# KiCad board Soldered Inkplate 6 FLICK.kicad_pcb (continued)
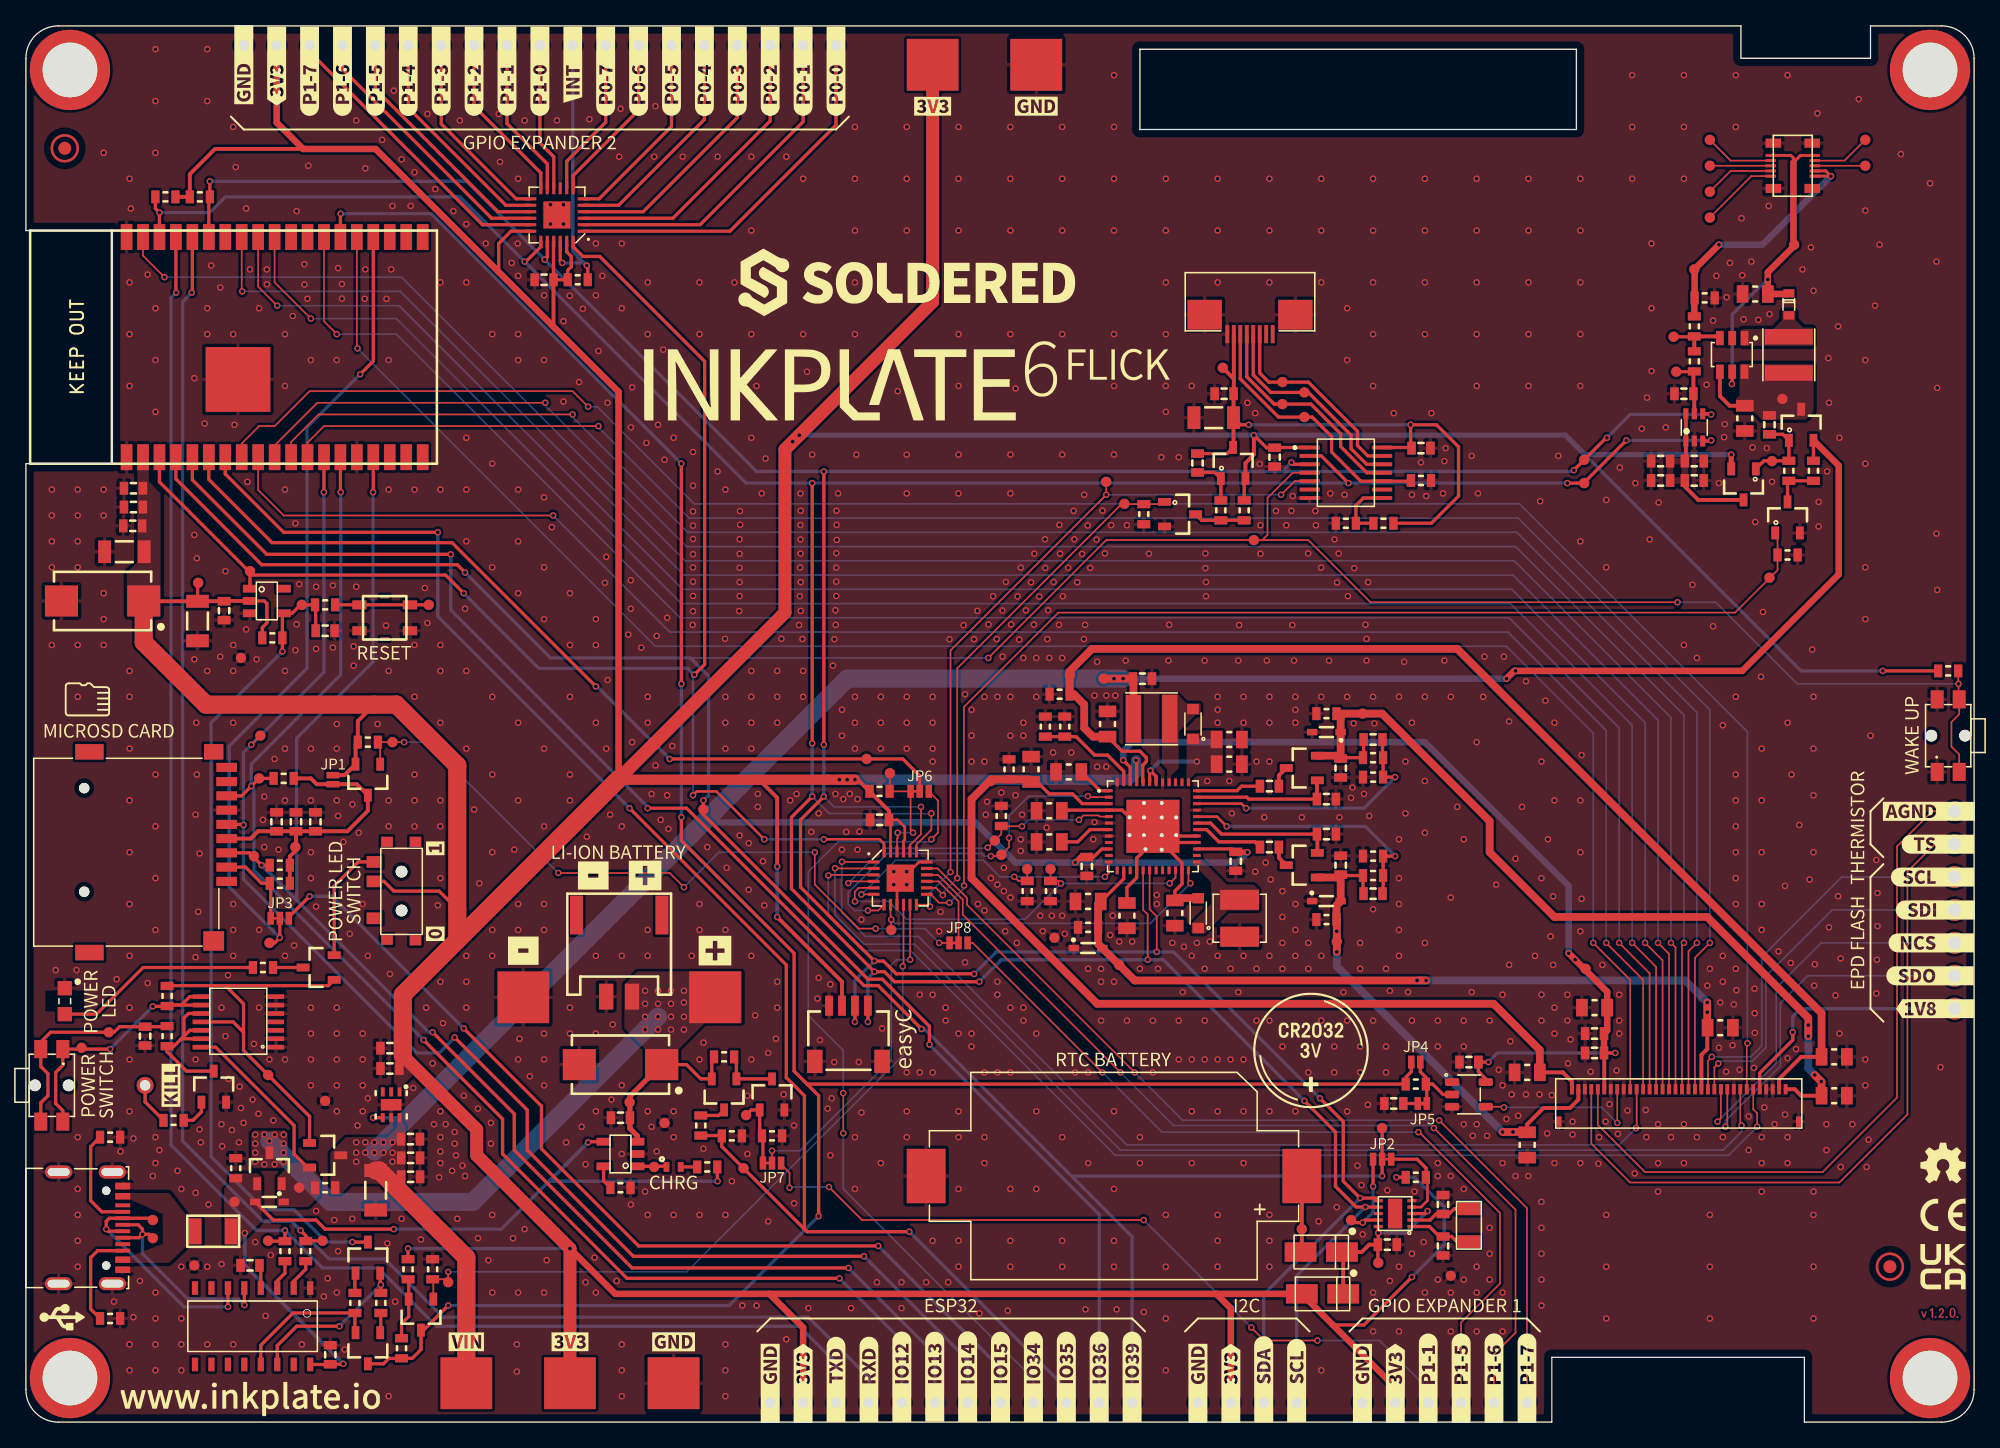
[diagram p0: board, top side]
## Routing (per net, layer and track width the routed paths; a pad name or vN(x,y) marks a point on that pad's centre or on a via; arc(x,y) is an arc through that point) (continued)
  Top w0.3: C53.2 93.23,77.56 ; TP32.TP 93.25,80.55 ; C44.1 93.22,75.28 ; K12.7 93.25,79.42
  Bottom w0.254: v1(94.4,77) v1(106.9,77)
/POWER/VDDH_D: length 10.8
  Top w0.254: 99.67,49.52 D7.1 ; U1.35 94.25,48.25 94.4,48.1 C20.2
  Top w0.3: C20.2 99.67,49.52
/POWER/VDDH_DRV: length 4.9
  Top w0.254: 95.17,49.1 93.85,49.1 93.5,48.75 U1.36
/POWER/VDDH_FB: length 20.3
  Top w0.2: U1.34 93.85,47.75 v1(94.2,47.4)
  Top w0.254: C16.1 104.73,51.34 R13.1 R14.2 v1(105.7,49.8)
  Bottom w0.254: v1(94.2,47.4) 103.3,47.4 v1(105.7,49.8)
/POWER/VEE_D: length 11.1
  Top w0.254: U1.31 91.45,46.25 92.3,45.4 C21.2 99.7,45.37
  Top w0.3: D6.2 99.7,45.37
/POWER/VEE_DRV: length 5.4
  Top w0.254: U1.30 91.15,45.75 92.1,44.8 94.87,44.8 C18.2
/POWER/VEE_FB: length 20.4
  Top w0.2: U1.32 91.95,46.75 v1(92.7,46)
  Top w0.254: C17.1 104.78,40.84 R15.1 R16.2 v1(105.7,43.7)
  Bottom w0.254: v1(105.7,43.7) 103.4,46 v1(92.7,46)
AGND: length 54.7
  Top w0.127: K13.1 147.16,47.16 144.45,44.45 144.45,25.05 138.7,19.3 125,19.3 121.35,22.95 K15.5
GND: length 3.5
  Top w0.2: U13.9 67.25,41.25 v1(67,41.5) ; v1(68,42.5) 68.2,42.5 68.95,43.25 U13.18
  vias: v1(2,72) v1(2,70) v1(2,68) v1(2,66) v1(2,60) v1(2.3,34.9) v1(3.9,34.9) v1(4,72) v1(4,70) v1(4,68) v1(4,66) v1(4,60) v1(4,56) v1(4,22) v1(4,18) v1(4,16) v1(4,14) v1(4,12) v1(6,98) v1(6,72) v1(6,70) v1(6,64) v1(6,62) v1(6,60) v1(6.8,9.3) v1(7,34.2) v1(7.3,20.9) v1(8,96) v1(8,88) v1(8,84) v1(8,80) v1(8,58) v1(8,56) v1(8,52) v1(8,48) v1(8,44) v1(8,40) v1(8,36) v1(8,32) v1(8,28) v1(8,24) v1(8,6) v1(8,4) v1(8.1,93.7) v1(8.3,21.9) v1(8.3,8.1) v1(8.8,10.9) v1(9.4,88.6) v1(9.4,33.9) v1(9.8,19) v1(10,106) v1(10,102) v1(10,98) v1(10,86) v1(10,82) v1(10,78) v1(10,50) v1(10,46) v1(10,42) v1(10,38) v1(10,22) v1(10,20) v1(10,10) v1(10,8) v1(10,6) v1(10,4) v1(10.3,21) v1(11.7,19.4) v1(12,18) v1(12,12) v1(12,8) v1(12,6) v1(12,4) v1(13,80.6) v1(13,68.5) v1(13,58.9) v1(13.1,46.9) v1(13.1,35.9) v1(13.1,28) v1(13.1,17.7) v1(13.2,66.7) v1(13.15,54) v1(13.2,50) v1(13.3,39.4) v1(13.4,43.9) v1(13.4,22.6) v1(13.5,21.6) v1(13.8,77.1) v1(14,106) v1(14,102) v1(14,86) v1(14,84) v1(14,58) v1(14,12) v1(14,6) v1(14.1,16.8) v1(14.3,89.3) v1(15,87.6) v1(15,59.1) v1(15.1,32) v1(15.1,23) v1(15.1,12.2) v1(15.15,21.3) v1(15.4,65.7) v1(15.4,29.8) v1(15.6,34.5) v1(15.65,26.5) v1(15.9,22.55) v1(16,100) v1(16,84) v1(16,60) v1(16,58) v1(16,54) v1(16,40) v1(16,38) v1(16,36) v1(16,6) v1(16.1,77) v1(16.2,96.9) v1(16.5,25.9) v1(16.45,21.6) v1(16.6,24.25) v1(16.8,23.1) v1(17,93.7) v1(17,61.2) v1(17.1,72.6) v1(17.3,89) v1(17.5,24.9) v1(17.6,29.2) v1(17.7,13.9) v1(17.8,58.9) v1(18,86) v1(18,38) v1(18,32) v1(17.95,23.8) v1(18.3,46.5) v1(18.4,48.3) v1(18.4,44.4) v1(18.5,8.2) v1(18.6,89) v1(18.61,87.86) v1(18.8,28) v1(18.9,12.9) v1(19.1,23.3) v1(19.2,51.2) v1(19.5,44.2) v1(20,84) v1(20,80) v1(20,72) v1(20,58) v1(20,52) v1(20,48) v1(20,36) v1(20,28) v1(20.6,85.4) v1(20.7,36.8) v1(20.8,69.4) v1(20.8,59.6) v1(20.9,93.5) v1(20.9,61.6) v1(21.1,64.7) v1(21.3,6) v1(21.5,89.4) v1(21.5,87.83) v1(21.73,86.73) v1(21.8,97) v1(22,82) v1(22,52) v1(22,48) v1(22,44) v1(22,42) v1(22,32) v1(22,30) v1(22,28) v1(22,26) v1(22.4,64.5) v1(22.4,59.7) v1(22.4,39.8) v1(22.4,16.3) v1(23,9.7) v1(23.3,11.1) v1(23.7,64.6) v1(23.7,59.8) v1(23.8,15.6) v1(24,82) v1(24,53.9) v1(24,52) v1(24,48) v1(24,32) v1(24,30) v1(24,28) v1(24,26) v1(24,24) v1(24,10) v1(24.1,89.1) v1(24.1,46.8) v1(24.1,13.2) v1(24.4,87.87) v1(24.39,86.74) v1(24.5,44.8) v1(24.6,5.6) v1(25,37.7) v1(25.2,47.7) v1(25.2,15.7) v1(25.3,59.9) v1(25.3,58.4) v1(25.5,100.5) v1(25.5,64.5) v1(25.6,22.9) v1(25.7,45.5) v1(26,40) v1(26,30) v1(26,28) v1(26,26) v1(26,24) v1(26.2,96.8) v1(26.2,89) v1(26.16,86.73) v1(26.4,36) v1(26.4,25) v1(27.15,53.9) v1(27.5,99) v1(27.83,86.72) v1(27.8,61.5) v1(27.9,13.8) v1(28,82) v1(28,72) v1(28,58) v1(28,48) v1(28,46) v1(28,2) v1(28.1,34.6) v1(28.2,89) v1(28.3,93.9) v1(28.4,102.8) v1(28.5,9.3) v1(29,97.5) v1(29,15.7) v1(29.7,93.9) v1(29.9,25.8) v1(30,96.5) v1(30,72) v1(30,60) v1(30,56) v1(30,50) v1(30,48) v1(30,46) v1(30.5,14.1) v1(30.8,64.4) v1(30.9,32) v1(31,101) v1(31,61.7) v1(31.4,27.7) v1(31.5,23) v1(31.6,95.2) v1(31.8,39.9) v1(31.9,18.9) v1(32,88) v1(32,72) v1(32,60) v1(32,58) v1(32,54) v1(32,48) v1(32,46) v1(32,42) v1(32,34) v1(32,24) v1(32,22) v1(32,20.9) v1(32,20) v1(32.2,30.8) v1(32.4,23) v1(32.9,19.4) v1(33,93.5) v1(33.1,22.4) v1(33.1,21.5) v1(33.2,20.6) v1(33.3,15.7) v1(33.5,100.5) v1(33.7,19.8) v1(33.8,25.2) v1(33.9,62.8) v1(33.9,19) v1(34,92.5) v1(34,88) v1(34,76) v1(34,72) v1(34,68) v1(34,58) v1(34,52) v1(34,36) v1(34,34) v1(34,32) v1(34.6,47.3) v1(34.9,24.2) v1(34.9,14.2) v1(35,41.6) v1(35.5,91) v1(35.7,12.5) v1(35.9,23.1) v1(35.9,21.5) v1(36,84) v1(36,74) v1(36,66) v1(36,56) v1(36,50) v1(36,44) v1(36,38) v1(36,36) v1(36,16) v1(36,10) v1(36.5,101) v1(36.6,97.3) v1(37.5,89.5) v1(37.6,14.2) v1(37.7,44.2) v1(37.9,6) v1(37.9,3.9) v1(38,96) v1(37.96,90.99) v1(38,88.5) v1(38,84) v1(38,82) v1(38,72) v1(38,68) v1(38,64) v1(38,54) v1(38,48) v1(38,40) v1(38,38) v1(38,28) v1(38,10) v1(38.1,29.6) v1(38.5,100.5) v1(38.5,14.9) v1(38.9,26.7) v1(40,87) v1(40,82) v1(40,71.4) v1(40,66) v1(40,62) v1(40,52) v1(40,46) v1(40,40) v1(40,38) v1(40,30) v1(40,28) v1(40,26) v1(40,10) v1(40.2,12.5) v1(40.5,94) v1(40.5,92.5) v1(40.6,69.1) v1(41,100.5) v1(41.5,94) v1(41.5,92.5) v1(41.5,85) v1(41.5,78.8) v1(41.7,21.6) v1(41.98,86.97) v1(42,64) v1(42,60) v1(42,56) v1(42,50) v1(42,48) v1(42,32) v1(42,30) v1(42.7,80.3) v1(42.9,22.8) v1(43,85.96) v1(43.2,19.9) v1(43.2,10.8) v1(43.3,45.2) v1(43.5,100.6) v1(43.9,12.7) v1(44,91) v1(44,87) v1(44,62) v1(44,60) v1(44,54) v1(44,36) v1(44,30) v1(44,24) v1(44,10) v1(44.2,82.7) v1(44.5,88.5) v1(44.7,64.8) v1(44.8,66.8) v1(44.8,52) v1(44.9,78.7) v1(44.9,57.3) v1(45.1,46.9) v1(45.2,24.9) v1(45.3,30.7) v1(45.6,10.9) v1(45.8,97.7) v1(45.9,101.4) v1(46,91) v1(46,86) v1(46,46) v1(46,36) v1(46,26) v1(46,20.7) v1(46,6) v1(46,4) v1(46,2) v1(46.5,60.8) v1(46.7,76.8) v1(46.7,65) v1(46.7,62.8) v1(46.7,16.8) v1(46.8,79.9) v1(46.8,52.5) v1(47.5,59.8) v1(47.8,17.8) v1(47.9,75.6) v1(48,88) v1(48,84) v1(48,56) v1(48,54) v1(48,38) v1(48,36) v1(48,24) v1(48,16) v1(48.3,48.5) v1(48.3,22.8) v1(48.5,97.7) v1(48.6,101.6) v1(48.6,50.7) v1(48.7,60.7) v1(48.7,20.9) v1(48.8,77) v1(49,46.5) v1(49.2,82.8) v1(49.3,74.3) v1(49.5,62.1) v1(49.5,48.4) v1(49.6,45.8) v1(49.9,52.2) v1(50,76) v1(50,24) v1(50,22) v1(50,16) v1(50.7,97.7) v1(51.4,36) v1(51.5,74.9) v1(51.5,72.3) v1(51.5,70.31) v1(51.5,69.21) v1(51.5,68.19) v1(51.5,67.01) v1(51.5,65.99) v1(51.5,64.89) v1(51.5,63.79) v1(51.5,62.61) v1(51.47,61.55) v1(52,88) v1(52,84) v1(52,40) v1(52,38) v1(52,28) v1(52,16) v1(52.3,29.3) v1(52.3,21.1) v1(52.6,44.4) v1(53.4,97.7) v1(53.4,73.4) v1(54,72) v1(53.97,60.48) v1(54,56) v1(54,54) v1(54,52) v1(54,38) v1(54,16) v1(54,6) v1(54,4) v1(54,2) v1(54.1,42.8) v1(54.5,18.6) v1(54.7,88) v1(55.13,70.34) v1(55.14,69.28) v1(55.1,68.17) v1(55.1,67.04) v1(55.1,65.96) v1(55.1,64.85) v1(55.1,63.78) v1(55.06,62.63) v1(55.1,45.3) v1(55.3,9) v1(55.7,25.2) v1(55.7,20.7) v1(55.8,44.7) v1(55.8,41.1) v1(56,97.7) v1(56,92) v1(56,84) v1(56,76) v1(56,58) v1(56,56) v1(56,54) v1(56,52) v1(56,36) v1(56,28) v1(56.3,31.4) v1(56.4,80) v1(56.4,9) v1(56.5,48.5) v1(56.5,47.5) v1(56.8,71.7) v1(56.9,43.3) v1(57,39.9) v1(57.1,74.4) v1(57.3,28.5) v1(57.3,15.5) v1(57.9,29.6) v1(58,58) v1(58,56) v1(58,54) v1(58,34) v1(58,32) v1(58.32,60.48) v1(58.5,25.3) v1(58.7,97.7) v1(58.7,6.4) v1(59,48) v1(59.3,22.9) v1(59.3,16.9) v1(59.5,48.5) v1(59.69,61.54) v1(59.8,71.7) v1(59.81,70.37) v1(59.79,69.26) v1(59.79,68.15) v1(59.8,67.06) v1(59.76,65.98) v1(59.82,64.85) v1(59.75,63.77) v1(59.82,62.63) v1(59.95,60.46) v1(60,96) v1(60,84) v1(60,58) v1(60,56) v1(60.3,81.1) v1(60.4,8.8) v1(60.63,45.57) v1(60.7,74.7) v1(61.1,32.7) v1(61.2,47) v1(61.2,34.3) v1(61.3,29.5) v1(61.9,24.2) v1(62.1,33.8) v1(62.1,20.6) v1(62.2,25) v1(62.3,58.4) v1(62.42,60.45) v1(62.4,27.8) v1(62.5,62.69) v1(62.52,61.55) v1(62.5,48.5) v1(62.57,70.36) v1(62.58,69.27) v1(62.6,68.11) v1(62.56,67.09) v1(62.56,65.96) v1(62.56,64.89) v1(62.56,63.78) v1(62.7,71.7) v1(63,55) v1(63,53) v1(63,44.2) v1(63.1,48.1) v1(63.33,45.57) v1(63.6,48.5) v1(63.7,8.8) v1(64,100) v1(64,96) v1(64,92) v1(64,88) v1(64,84) v1(64,56) v1(64,54) v1(64,52) v1(64,22) v1(64,18) v1(64.1,74.7) v1(64.2,48.1) v1(64.2,44.2) v1(64.34,45.59) v1(64.3,27.8) v1(64.5,38.8) v1(64.5,23.9) v1(65.7,10.8) v1(66,56) v1(66,54) v1(66,52) v1(66,20) v1(66.1,30.4) v1(67,42.5) v1(67.3,79.6) v1(67.6,10.8) v1(67.6,8.8) v1(68,100) v1(68,96) v1(68,92) v1(68,74.7) v1(68,71.7) v1(68,56) v1(68,54) v1(68,52) v1(68,41.5) v1(68,27) v1(68,24) v1(68,22) v1(69,33) v1(69,27) v1(69.5,10.8) v1(70,56) v1(70,54) v1(70,52) v1(70,51) v1(70,33) v1(70,27) v1(70,14) v1(70.5,37.9) v1(70.6,39.4) v1(71,32) v1(71,31) v1(71.2,10.8) v1(71.3,60.44) v1(72,100) v1(72,96) v1(72,92) v1(72,84) v1(72,80) v1(72,74.7) v1(72,71.7) v1(72,30) v1(72,24) v1(72,22) v1(72,18) v1(72,14) v1(72,12) v1(72.39,61.53) v1(72.5,56.2) v1(72.5,35.5) v1(73,55) v1(73,53) v1(73,51) v1(73,30) v1(73,29) v1(73.19,60.45) v1(73.45,62.63) v1(73.5,40) v1(73.6,8.4) v1(74,56) v1(74,51) v1(74,39.5) v1(74,27) v1(74,22) v1(74,20) v1(74.1,46.9) v1(74.2,47.9) v1(74.31,61.59) v1(74.5,42) v1(74.67,63.76) v1(74.95,60.46) v1(75,56) v1(75,41.5) v1(75,34) v1(75,33) v1(75,27) v1(75.3,48.6) v1(75.38,62.66) v1(75.4,59.1) v1(75.5,42.8) v1(75.5,41) v1(75.6,37.9) v1(75.65,64.87) v1(75.8,8.6) v1(76,100) v1(76,96) v1(76,92) v1(76,84) v1(76,74.7) v1(76,71.7) v1(76,56) v1(76,53) v1(76,40.5) v1(76,32) v1(76,27) v1(76,18) v1(76,14) v1(76,12) v1(76.06,61.59) v1(76.4,79.8) v1(76.4,48.4) v1(76.5,37) v1(76.55,63.75) v1(76.69,60.42) v1(76.8,65.97) v1(76.8,45) v1(76.8,44.1) v1(76.9,46.9) v1(77,59) v1(77,54) v1(77,53) v1(77,32) v1(77,31) v1(77.2,62.67) v1(77.6,64.84) v1(77.81,61.57) v1(77.85,67.05) v1(78,59) v1(78,56) v1(78,30) v1(78,24) v1(78,18) v1(78.23,63.74) v1(78.3,39.1) v1(78.5,37.9) v1(78.68,68.16) v1(78.69,65.95) v1(78.8,45.9) v1(78.91,62.68) v1(78.86,60.45) v1(79,59) v1(79.2,39.1) v1(79.34,64.86) v1(79.3,51.7) v1(79.78,69.27) v1(79.84,67.06) v1(79.75,61.55) v1(80,100) v1(80,96) v1(80,92) v1(80,84) v1(80,74.7) v1(80.05,63.76) v1(80,59) v1(80,39.1) v1(80,22) v1(80,14) v1(80,12) v1(80.2,37.7) v1(80.46,65.96) v1(80.7,51.7) v1(80.88,70.36) v1(80.94,68.16) v1(81,27) v1(81.17,64.85) v1(81.53,67.03) v1(81.7,71.6) v1(81.68,60.46) v1(81.77,61.55) v1(81.8,8.7) v1(81.97,69.23) v1(82,35) v1(82,27) v1(82,20) v1(82.17,65.95) v1(82.4,45) v1(82.5,56.1) v1(82.5,46.33) v1(82.65,68.14) v1(82.7,58.7) v1(82.7,50.6) v1(83,35) v1(83,34) v1(83,31) v1(83.12,70.37) v1(83.3,67.08) v1(83.4,56.1) v1(83.4,50.6) v1(83.7,37.6) v1(83.78,69.26) v1(83.9,39.1) v1(84,104) v1(84,100) v1(84,96) v1(84,92) v1(84,84) v1(84,80) v1(84,74.7) v1(84,34) v1(84,24) v1(84,18) v1(84,14) v1(84,12) v1(84.1,56.1) v1(84.2,8.7) v1(84.4,37.1) v1(84.9,58.8) v1(85,69.25) v1(85,31) v1(85.4,37.1) v1(86,35) v1(86,22) v1(86,20) v1(86.3,8.5) v1(86.7,67.05) v1(87,31) v1(87,27) v1(87.3,40.7) v1(87.3,40) v1(87.4,35) v1(87.65,74.5) v1(88,96) v1(88,92) v1(88,88) v1(88,84) v1(88,80) v1(88,78) v1(88,16) v1(88,12) v1(88,8) v1(88,4) v1(88.2,58.8) v1(88.26,61.56) v1(88.5,37) v1(89,74.5) v1(89,31) v1(89,28) v1(89.3,33.2) v1(89.4,36.7) v1(90,80) v1(90,36) v1(90,28) v1(90,24) v1(90,20) v1(90.4,37) v1(91,58.8) v1(91,35) v1(91,31) v1(91,28) v1(91.05,67.07) v1(91.05,65.93) v1(91.1,64.86) v1(91.1,63.76) v1(91.2,49.5) v1(91.4,37.1) v1(92,96) v1(92,92) v1(92,88) v1(92,56) v1(92,55) v1(92,54) v1(92,36) v1(92,28) v1(92,24) v1(92,16) v1(92,14) v1(92,12) v1(92.9,49.5) v1(93,35) v1(93,28) v1(93.1,47) v1(93.6,58.8) v1(93.6,33.2) v1(93.66,61.54) v1(94,56) v1(94,54) v1(94,36) v1(94,28) v1(94,24) v1(94,20) v1(94.3,78.7) v1(94.9,77.9) v1(94.9,42.5) v1(95,51) v1(95,35) v1(95,31) v1(95.25,73.98) v1(95.3,69.25) v1(95.3,67.05) v1(95.6,46.7) v1(95.7,43.2) v1(95.8,58.8) v1(96,96) v1(96,92) v1(96,88) v1(96,56) v1(96,54) v1(96,51) v1(96,36) v1(96,31) v1(96,24) v1(96,16) v1(96,14) v1(96,12) v1(96.1,41.9) v1(96.5,70.35) v1(97,41) v1(97,39) v1(97,37) v1(97,35) v1(97,29) v1(97.3,69.25) v1(97.69,70.36) v1(97.8,71.5) v1(97.77,61.54) v1(97.9,58.8) v1(98,56) v1(98,55) v1(98,54) v1(98,40) v1(98,38) v1(98,36) v1(98,24) v1(98.5,46.7) v1(98.99,67.07) v1(99,37) v1(99,35) v1(99,27) v1(99.54,70.35) v1(99.59,69.25) v1(99.8,15.5) v1(100,96) v1(100,92) v1(100,88) v1(99.99,65.97) v1(100,56) v1(100,36) v1(100,31) v1(100,4) v1(100.6,58.8) v1(100.7,71.7) v1(101.03,68.15) v1(101,29) v1(101,27) v1(101.22,64.83) v1(101.2,16.6) v1(101.34,67.06) v1(101.4,46.7) v1(101.7,33.2) v1(101.8,71.6) v1(102,86) v1(102,82) v1(102,56) v1(102,31) v1(102,24) v1(102.06,63.77) v1(102.3,48.2) v1(102.4,49) v1(102.54,65.93) v1(102.5,53.95) v1(102.8,19.8) v1(103,37) v1(103,35) v1(103,29) v1(103,27) v1(103.1,18.3) v1(103.2,14.5) v1(103.3,48.5) v1(103.41,61.57) v1(103.5,60.47) v1(103.5,58.8) v1(103.62,64.85) v1(103.6,24.5) v1(103.7,46.8) v1(104,96) v1(104,92) v1(104,88) v1(104,84) v1(104,80) v1(104,56) v1(104,39.6) v1(104,31) v1(104,10) v1(104,7) v1(104.1,53.95) v1(105,35) v1(105,29) v1(105,27) v1(105.1,17.9) v1(105.3,33.3) v1(105.3,10.9) v1(105.6,77.9) v1(106,56) v1(106,45) v1(106,42) v1(106,40) v1(106,38) v1(106,36) v1(106,12) v1(106,7) v1(106.4,58.7) v1(106.5,51) v1(106.5,47) v1(106.7,33.2) v1(107,71.6) v1(107,54) v1(107,31) v1(107,13) v1(107.2,17.8) v1(107.7,74.1) v1(107.9,13.9) v1(108,96) v1(108,92) v1(108,88) v1(108,84) v1(108,56) v1(108,49.5) v1(108,45.5) v1(108,37) v1(108,10) v1(108.1,71.5) v1(108.5,77.9) v1(109,31) v1(109,29) v1(109,20) v1(109,19) v1(109,11) v1(109.4,71.7) v1(109.5,74.2) v1(109.5,58.8) v1(109.6,75.2) v1(110,56) v1(110,40.5) v1(110,19) v1(110,10) v1(110,7) v1(110.5,47.5) v1(111,45) v1(111,31) v1(111,29) v1(111,23) v1(111,18) v1(111,11) v1(111.6,74.6) v1(111.6,33.2) v1(111.7,22.1) v1(112,96) v1(112,92) v1(112,88) v1(112,84) v1(112,80) v1(112,52.5) v1(112,23) v1(112,12) v1(112,10) v1(112,7) v1(112.1,71.7) v1(112.5,56) v1(112.6,59.1) v1(112.8,22.1) v1(113,31) v1(113,15) v1(113,13) v1(113,11) v1(113.5,41.5) v1(113.7,27.2) v1(114,33) v1(114,26) v1(114,20) v1(114,10) v1(114,7) v1(114.1,59.1) v1(114.3,23.4) v1(114.5,54.1) v1(114.5,35.3) v1(114.6,29.4) v1(114.7,25.3) v1(115,43.5) v1(115,19) v1(115.2,23.65) v1(115.5,47.5) v1(115.8,57.2) v1(115.8,25.3) v1(116,96) v1(116,92) v1(116,88) v1(116,84) v1(116,80) v1(116,19) v1(116.5,36) v1(116.85,25.3) v1(116.9,71.1) v1(117,51) v1(117,42) v1(117,33) v1(117,31) v1(117,17) v1(117,15) v1(117,13) v1(117,11) v1(117,9) v1(117.3,55.7) v1(117.44,22.29) v1(117.5,45) v1(117.7,37.5) v1(117.8,25.25) v1(117.9,40.6) v1(117.9,35.3) v1(118,54) v1(118,48) v1(118,32) v1(118,30) v1(118,20) v1(118.3,74.6) v1(119,33) v1(119,31) v1(119.05,27.7) v1(119.25,29.55) v1(119.4,23.2) v1(119.4,22.2) v1(120,96) v1(120,92) v1(120,88) v1(120,84) v1(120,80) v1(120,68) v1(120,48) v1(120,44) v1(120,37.9) v1(120,20) v1(120.1,51.5) v1(120.1,40.4) v1(120.8,27.05) v1(121.45,22) v1(121.4,19.95) v1(121.7,35.3) v1(121.95,23.2) v1(122,71.2) v1(122,66) v1(122,16) v1(122,12) v1(122,8) v1(122.25,24.55) v1(122.8,27.15) v1(122.9,22.25) v1(123,33) v1(123,31) v1(123,30) v1(123.05,73.7) v1(123.65,24.05) v1(124,104) v1(124,100) v1(124,96) v1(124.25,72.5) v1(124.2,19.2) v1(124.75,76.7) v1(125.05,24.1) v1(125.1,22) v1(125.15,79.1) v1(125.35,68.15) v1(125.5,91) v1(125.5,86) v1(125.5,81.15) v1(126,23) v1(126,20) v1(126,17.8) v1(126.05,71) v1(126.6,76.8) v1(127,22) v1(128,104) v1(128,100) v1(128,96) v1(128,60) v1(128,23) v1(128,20) v1(128.65,64.65) v1(129,59) v1(129,22) v1(129.75,80.1) v1(129.8,33.7) v1(130,35) v1(130,16) v1(130,12) v1(130,8) v1(130.25,85.05) v1(130.25,61.45) v1(130.5,88.5) v1(130.7,72.5) v1(130.7,28.9) v1(130.8,32.4) v1(131,53.8) v1(131,36) v1(131,34) v1(131,22) v1(131.1,76.05) v1(131.15,77.05) v1(131.25,27.05) v1(131.3,86.85) v1(131.55,89.5) v1(131.85,32.25) v1(131.75,29.1) v1(132,104) v1(132,100) v1(132,56) v1(132,50) v1(132,48) v1(132,46) v1(132,44) v1(132,42) v1(132,40) v1(132,35) v1(132.05,33.35) v1(132.3,27.2) v1(132.45,92.95) v1(132.5,88.55) v1(132.6,85.15) v1(133,23.6) v1(133,21) v1(133.2,89.6) v1(133.3,75.25) v1(133.45,33.46) v1(133.4,27.35) v1(133.5,69.5) v1(133.46,31.57) v1(133.47,30.05) v1(133.75,85.1) v1(133.95,57.55) v1(134,52) v1(134,48) v1(134,44) v1(134,40) v1(134,38) v1(134,22) v1(134,20) v1(134,17.8) v1(134.1,62.55) v1(134.2,24.3) v1(134.4,75.2) v1(134.55,93.9) v1(134.6,85.55) v1(134.8,72.6) v1(135,23) v1(135.3,36.35) v1(135.8,41.4) v1(135.8,23.75) v1(136,104) v1(136,54) v1(136,28.1) v1(136,22) v1(136,20) v1(136.25,35.45) v1(136.3,50) v1(136.65,28.8) v1(136.9,46.1) v1(137.15,89) v1(137.7,41.9) v1(137.8,90.7) v1(137.9,59.65) v1(138,87.35) v1(138,56) v1(138,52) v1(138,48.4) v1(138,44) v1(138,17.8) v1(138,16) v1(138,12) v1(138,8) v1(138.1,35.35) v1(138.05,33.7) v1(138.3,101.05) v1(138.4,71.05) v1(138.4,69.15) v1(139,23) v1(139,21) v1(139.05,73.4) v1(139.15,82.15) v1(139.2,78.7) v1(139.2,38.2) v1(139.7,32.95) v1(139.9,84.6) v1(139.9,40.6) v1(140,76) v1(140,30) v1(140.1,35.8) v1(140.1,19.7) v1(141,23) v1(141.5,102.15) v1(142,93.55) v1(142,82) v1(142,74) v1(142,66) v1(142,62) v1(142,28) v1(142,26) v1(142.1,19.7) v1(142.25,21.8) v1(142.4,53) v1(142.75,86.2) v1(142.85,43.4) v1(142.85,33.1) v1(142.95,40.85) v1(142.95,38.3) v1(142.9,35.7) v1(143.1,90.9) v1(144.75,97.9) v1(147,95.65) v1(147.5,89.6) v1(147.5,68.6) v1(147.55,79.85) v1(147.55,64.25) v1(147.8,27.4)
